# Altium PCB Main_PCB.PcbDoc (part 6 of 13)
Units mil, origin at the board's own origin, x right, y up, seen from the top; angles counter-clockwise.
Board outline 5200 x 6000 mil, 12 copper layers (Top (L1), Int1 (l2), Int2 (L3), Int3 (L4), Int4 (L5), Int5 (L6), Int6 (L7), Int7 (L8), Int8 (L9), Int9 (L10), Int10 (L11), Bot (L12)), stack 94.81 mil thick; 88 components, 424 nets, 1789 pads, 1684 vias.
Unrouted connection lines stored in the file: 914.
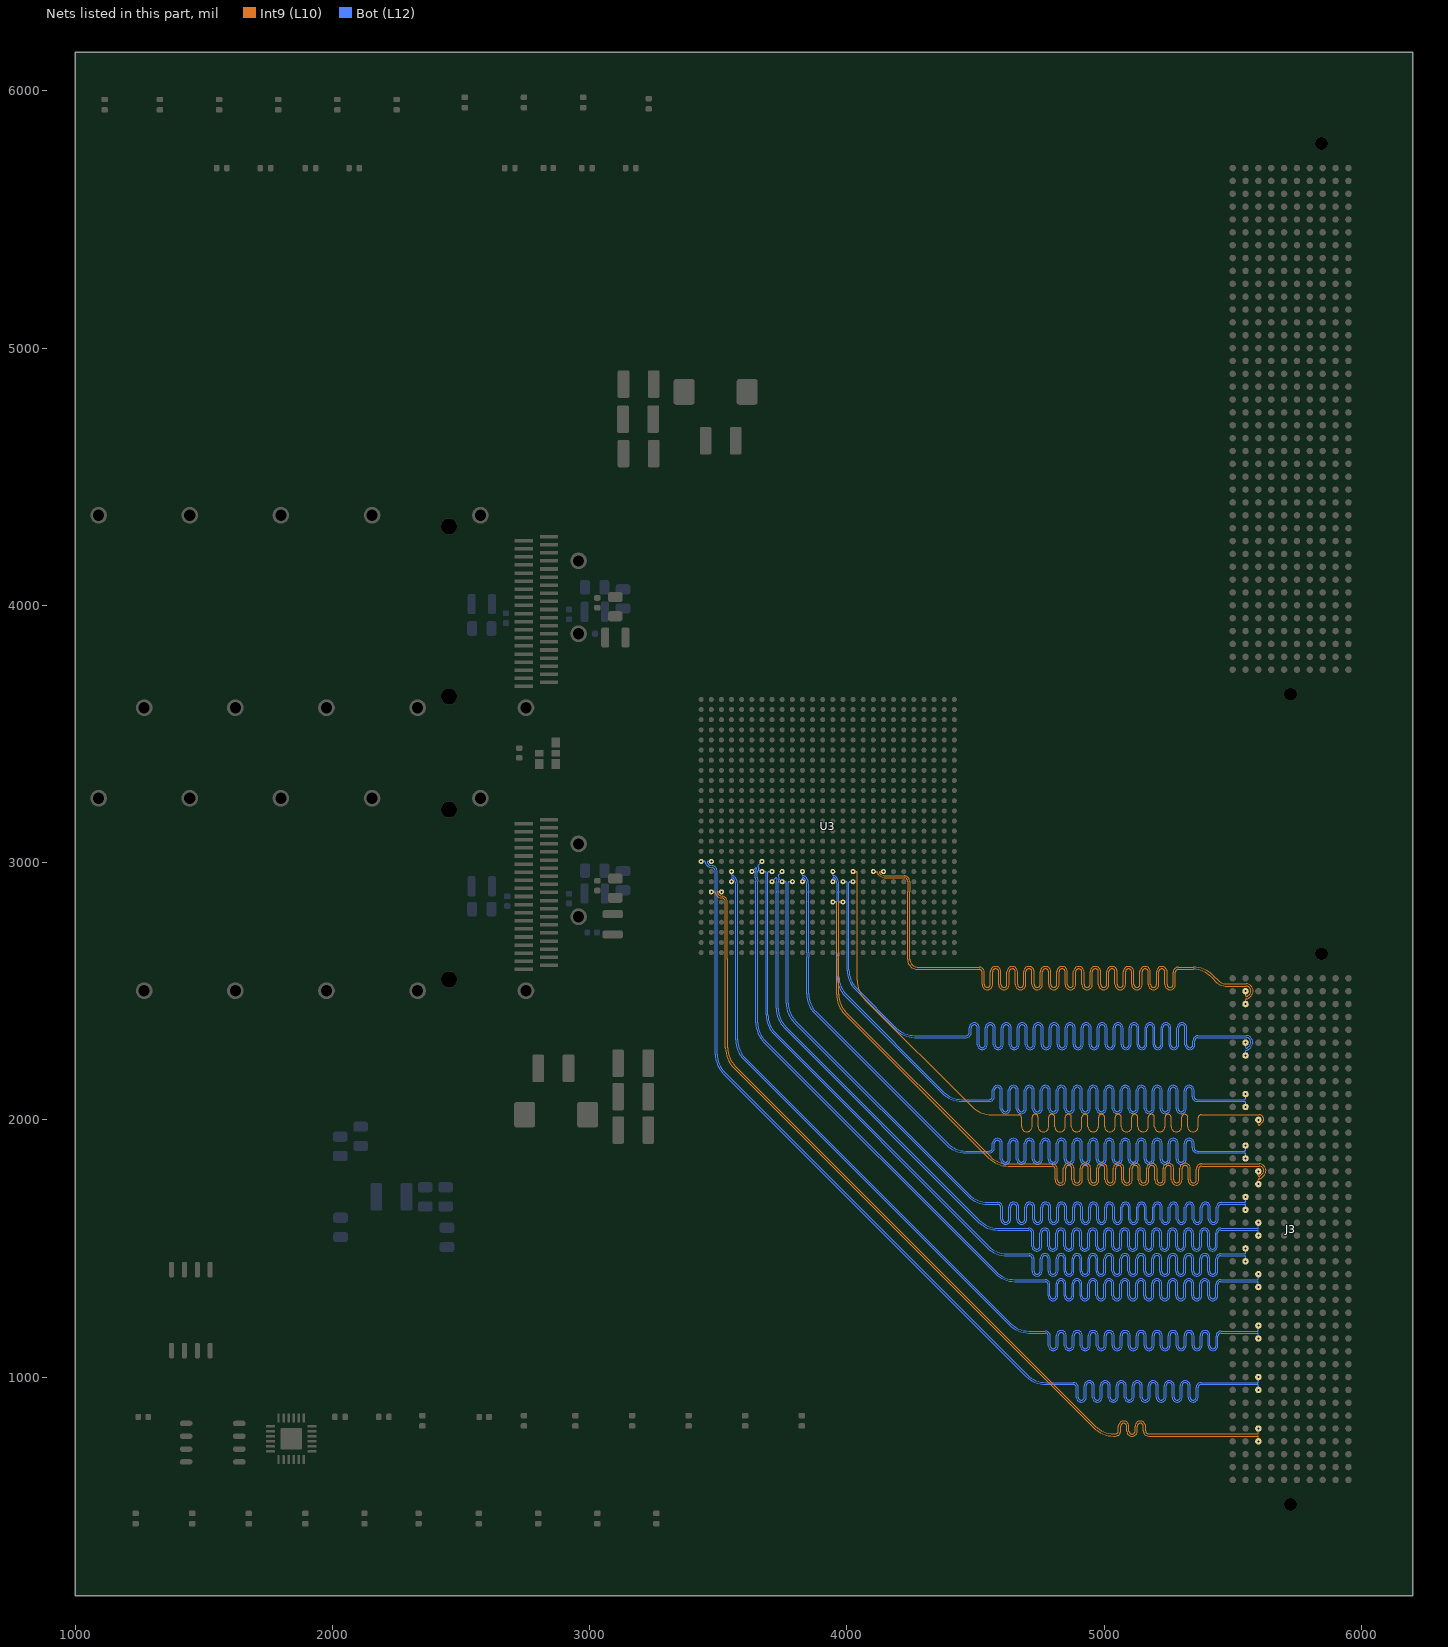
[diagram p16: the nets of this part, all layers, seen from the top]

## Via types
v1: diameter 13.78, hole 7.87, Top (L1) to Bot (L12), tented both sides, 1680 vias
v2: diameter 19.68, hole 7.87, Top (L1) to Bot (L12), tented both sides, 4 vias

## Nets (pads, with @x,y where several pads share a name; then routed paths per layer and width w, separated by ;. In a path a pad name is that pad's centre, name@x,y a point inside that pad or via, vN(x,y) a via of type N, cw(c..) or ccw(c..) an arc to the next point about the centre after c; other vN are vias at no path point) (continued)
HPCC_A_56_P: J3.H12 U3.V16 | length 3513.6
  Int9 (L10) w3.5: v1(4024.41,2964.96) 4036.84,2964.96 cw(c4036.84,2961.46) 4039.32,2963.94 cw(c4036.84,2961.46) 4040.34,2961.46 4040.34,2625 4040.2,2624.86 4040.2,2542.42 ccw(c4149,2542.42) 4072.07,2465.49 4485.69,2051.87 ccw(c4562.62,2128.8) 4562.62,2020 4629,2020 4667.45,2020 cw(c4667.45,2008.25) 4679.2,2008.25 4679.2,1973.62 ccw(c4699.75,1973.62) 4720.3,1973.62 4720.3,2009.89 cw(c4732.05,2009.89) 4743.8,2009.89 4743.8,1973.62 ccw(c4764.35,1973.62) 4784.9,1973.62 4784.9,2009.89 cw(c4796.65,2009.89) 4808.4,2009.89 4808.4,1973.62 ccw(c4828.95,1973.62) 4849.5,1973.62 4849.5,2009.89 cw(c4861.25,2009.89) 4873,2009.89 4873,1973.62 ccw(c4893.55,1973.62) 4914.1,1973.62 4914.1,2009.89 cw(c4925.85,2009.89) 4937.6,2009.89 4937.6,1973.62 ccw(c4958.15,1973.62) 4978.7,1973.62 4978.7,2009.89 cw(c4990.45,2009.89) 5002.2,2009.89 5002.2,1973.62 ccw(c5022.75,1973.62) 5043.3,1973.62 5043.3,2009.89 cw(c5055.05,2009.89) 5066.8,2009.89 5066.8,1973.62 ccw(c5087.35,1973.62) 5107.9,1973.62 5107.9,2009.89 cw(c5119.65,2009.89) 5131.4,2009.89 5131.4,1973.62 ccw(c5151.95,1973.62) 5172.5,1973.62 5172.5,2009.89 cw(c5184.25,2009.89) 5196,2009.89 5196,1973.62 ccw(c5216.55,1973.62) 5237.1,1973.62 5237.1,2009.89 cw(c5248.85,2009.89) 5260.6,2009.89 5260.6,1973.62 ccw(c5281.15,1973.62) 5301.7,1973.62 5301.7,2009.89 cw(c5313.45,2009.89) 5325.2,2009.89 5325.2,1973.62 ccw(c5345.75,1973.62) 5366.3,1973.62 5366.3,2008.25 cw(c5378.05,2008.25) 5378.05,2020 5417.74,2020 5602.93,2020 cw(c5602.93,2002.93) 5615,2015 cw(c5602.45,2002.45) 5620.2,2002.45 5620.2,1999 cw(c5609.7,1999) 5617.12,1991.57 5605.97,1980.43 ; v1(5600,2000) 5600,1982.9 ccw(c5603.5,1982.9) 5601.03,1980.43 ccw(c5603.5,1982.9) 5603.5,1979.4 ccw(c5603.5,1982.9) 5605.97,1980.42
HPCC_A_57_N: J3.H17 U3.AA15 | length 3523
  Int9 (L10) w3.5: v1(3985.04,2846.85) 3972.6,2846.85 ccw(c3972.6,2843.35) 3970.13,2845.83 ccw(c3972.6,2843.35) 3969.1,2843.35 3969.1,2612.65 3969,2612.55 3969,2487.42 ccw(c4069,2487.42) 3998.29,2416.71 4556.91,1858.09 ccw(c4627.62,1928.8) 4627.62,1828.8 4759.69,1828.8 4798.14,1828.8 cw(c4798.14,1808.25) 4818.69,1808.25 4818.69,1766.89 ccw(c4830.44,1766.89) 4842.19,1766.89 4842.19,1810.88 cw(c4862.74,1810.88) 4883.29,1810.88 4883.29,1766.89 ccw(c4895.04,1766.89) 4906.79,1766.89 4906.79,1810.88 cw(c4927.34,1810.88) 4947.89,1810.88 4947.89,1766.89 ccw(c4959.64,1766.89) 4971.39,1766.89 4971.39,1810.88 cw(c4991.94,1810.88) 5012.49,1810.88 5012.49,1766.89 ccw(c5024.24,1766.89) 5035.99,1766.89 5035.99,1810.88 cw(c5056.54,1810.88) 5077.09,1810.88 5077.09,1766.89 ccw(c5088.84,1766.89) 5100.59,1766.89 5100.59,1810.88 cw(c5121.14,1810.88) 5141.69,1810.88 5141.69,1766.89 ccw(c5153.44,1766.89) 5165.19,1766.89 5165.19,1810.88 cw(c5185.74,1810.88) 5206.29,1810.88 5206.29,1766.89 ccw(c5218.04,1766.89) 5229.79,1766.89 5229.79,1810.88 cw(c5250.34,1810.88) 5270.89,1810.88 5270.89,1766.89 ccw(c5282.64,1766.89) 5294.39,1766.89 5294.39,1810.88 cw(c5314.94,1810.88) 5335.49,1810.88 5335.49,1766.89 ccw(c5347.24,1766.89) 5358.99,1766.89 5358.99,1808.25 cw(c5379.54,1808.25) 5379.54,1828.8 5403,1828.8 5602.93,1828.8 cw(c5602.93,1802.93) 5621.22,1821.23 ; v1(5600,1750) 5600,1767.1 cw(c5603.5,1767.1) 5601.03,1769.57 cw(c5603.5,1767.1) 5603.5,1770.6 ccw(c5603.5,1782.9) 5612.2,1774.2 5621.88,1783.89 ccw(c5602.77,1803) 5629.8,1803 ccw(c5606.51,1803) 5622.99,1819.46 5621.22,1821.22
HPCC_A_57_P: J3.H16 U3.AA14 | length 3509.5
  Int9 (L10) w3.5: v1(3945.67,2846.85) 3958.1,2846.85 cw(c3958.1,2843.35) 3960.58,2845.83 cw(c3958.1,2843.35) 3961.6,2843.35 3961.6,2625 ccw(c3964.74,2621.86) 3960.3,2621.86 3960.3,2616.3 3960.2,2616.19 3960.2,2487.42 ccw(c4069,2487.42) 3992.07,2410.49 4550.69,1851.87 ccw(c4627.62,1928.8) 4627.62,1820 4759.69,1820 4798.14,1820 cw(c4798.14,1808.25) 4809.89,1808.25 4809.89,1766.89 ccw(c4830.44,1766.89) 4850.99,1766.89 4850.99,1810.88 cw(c4862.74,1810.88) 4874.49,1810.88 4874.49,1766.89 ccw(c4895.04,1766.89) 4915.59,1766.89 4915.59,1810.88 cw(c4927.34,1810.88) 4939.09,1810.88 4939.09,1766.89 ccw(c4959.64,1766.89) 4980.19,1766.89 4980.19,1810.88 cw(c4991.94,1810.88) 5003.69,1810.88 5003.69,1766.89 ccw(c5024.24,1766.89) 5044.79,1766.89 5044.79,1810.88 cw(c5056.54,1810.88) 5068.29,1810.88 5068.29,1766.89 ccw(c5088.84,1766.89) 5109.39,1766.89 5109.39,1810.88 cw(c5121.14,1810.88) 5132.89,1810.88 5132.89,1766.89 ccw(c5153.44,1766.89) 5173.99,1766.89 5173.99,1810.88 cw(c5185.74,1810.88) 5197.49,1810.88 5197.49,1766.89 ccw(c5218.04,1766.89) 5238.59,1766.89 5238.59,1810.88 cw(c5250.34,1810.88) 5262.09,1810.88 5262.09,1766.89 ccw(c5282.64,1766.89) 5303.19,1766.89 5303.19,1810.88 cw(c5314.94,1810.88) 5326.69,1810.88 5326.69,1766.89 ccw(c5347.24,1766.89) 5367.79,1766.89 5367.79,1808.25 cw(c5379.54,1808.25) 5379.54,1820 5403,1820 5602.93,1820 cw(c5602.93,1802.93) 5615,1815 5616.76,1813.24 cw(c5606.51,1803) 5621,1803 cw(c5602.77,1803) 5615.67,1790.12 5605.97,1780.43 ; v1(5600,1800) 5600,1782.9 ccw(c5603.5,1782.9) 5601.03,1780.43 ccw(c5603.5,1782.9) 5603.5,1779.4 ccw(c5603.5,1782.9) 5605.97,1780.42
HPCC_A_58_N: J3.H21 U3.W8 | length 4445.2
  Bot (L12) w3.5: v1(3709.45,2925.59) 3724.01,2940.15 cw(c3726.48,2937.67) 3726.48,2941.17 3726.84,2940.98 cw(c3725.15,2937.91) 3728.26,2936.31 ccw(c3748.82,2925.59) 3725.71,2923.74 ; 3725.67,2628.85 3725.67,2433.2 ccw(c3833.22,2433.2) 3757.17,2357.15 4511.6,1602.73 ccw(c4587.65,1678.78) 4587.65,1571.23 ; 3725.69,2628.87 3725.69,2648.2 ccw(c3722.19,2648.18) 3725.69,2648.39 cw(c3748.82,2650) 3725.63,2650 3725.63,2846.85 cw(c3748.82,2846.85) 3725.64,2847.59 3725.69,2849.17 ccw(c3722.19,2849.28) 3725.69,2849.28 3725.69,2884.42 ccw(c3722.19,2884.4) 3725.69,2884.61 cw(c3748.82,2886.22) 3725.69,2887.83 ccw(c3722.19,2888.04) 3725.69,2888.02 3725.69,2920.5 3725.7,2923.6 3725.69,2923.72 ; 4587.65,1571.22 4671,1571.22 4707.58,1571.22 cw(c4707.58,1559.47) 4719.33,1559.47 4719.33,1508.78 ccw(c4738.63,1508.78) 4757.93,1508.78 4757.93,1559.59 cw(c4769.68,1559.59) 4781.43,1559.59 4781.43,1508.78 ccw(c4800.73,1508.78) 4820.03,1508.78 4820.03,1559.59 cw(c4831.78,1559.59) 4843.53,1559.59 4843.53,1508.78 ccw(c4862.83,1508.78) 4882.13,1508.78 4882.13,1559.59 cw(c4893.88,1559.59) 4905.63,1559.59 4905.63,1508.78 ccw(c4924.93,1508.78) 4944.23,1508.78 4944.23,1559.59 cw(c4955.98,1559.59) 4967.73,1559.59 4967.73,1508.78 ccw(c4987.03,1508.78) 5006.33,1508.78 5006.33,1559.59 cw(c5018.08,1559.59) 5029.83,1559.59 5029.83,1508.78 ccw(c5049.13,1508.78) 5068.43,1508.78 5068.43,1559.59 cw(c5080.18,1559.59) 5091.93,1559.59 5091.93,1508.78 ccw(c5111.23,1508.78) 5130.53,1508.78 5130.53,1559.59 cw(c5142.28,1559.59) 5154.03,1559.59 5154.03,1508.78 ccw(c5173.33,1508.78) 5192.63,1508.78 5192.63,1559.59 cw(c5204.38,1559.59) 5216.13,1559.59 5216.13,1508.78 ccw(c5235.43,1508.78) 5254.73,1508.78 5254.73,1559.59 cw(c5266.48,1559.59) 5278.23,1559.59 5278.23,1508.78 ccw(c5297.53,1508.78) 5316.83,1508.78 5316.83,1559.59 cw(c5328.58,1559.59) 5340.33,1559.59 5340.33,1508.78 ccw(c5359.63,1508.78) 5378.93,1508.78 5378.93,1559.59 cw(c5390.68,1559.59) 5402.43,1559.59 5402.43,1508.78 ccw(c5421.73,1508.78) 5441.03,1508.78 5441.03,1559.47 cw(c5452.78,1559.47) 5452.78,1571.22 5476,1571.22 5596.5,1571.22 cw(c5596.5,1567.72) 5598.97,1570.2 cw(c5596.5,1567.72) 5600,1567.72 v1(5600,1550)
HPCC_A_58_P: J3.H20 U3.V9 | length 4446.9
  Bot (L12) w3.5: 3733.17,2626.03 3733.17,2626.27 cw(c3736.67,2626.24) 3733.18,2626.45 ccw(c3722.19,2627.09) 3733.19,2627.09 3733.19,2632 3733.19,2648.22 ccw(c3722.19,2648.18) 3733.17,2648.9 cw(c3748.82,2650) 3733.13,2650 3733.13,2846.85 cw(c3748.82,2846.85) 3733.14,2847.36 3733.19,2848.94 ccw(c3722.19,2849.28) 3733.19,2849.28 3733.19,2884.44 ccw(c3722.19,2884.4) 3733.17,2885.12 cw(c3748.82,2886.22) 3733.17,2887.33 ccw(c3722.19,2888.04) 3733.19,2888 3733.19,2920.5 3733.2,2923.35 ccw(c3725.71,2923.74) 3733.19,2924.28 3733.18,2924.34 cw(c3748.82,2925.59) 3736.71,2935.56 ccw(c3733.98,2937.76) 3737.48,2937.71 ; 3733.22,2625.72 3733.22,2433.2 ccw(c3833.22,2433.2) 3762.51,2362.49 4516.94,1608.06 ccw(c4587.65,1678.78) 4587.65,1578.78 4671,1578.78 4707.58,1578.78 ; 3733.24,2625.75 3733.24,2631.97 ; 3737.48,2937.73 ccw(c3726.63,2937.73) 3734.3,2945.41 3734.26,2945.45 cw(c3736.74,2947.93) 3733.24,2947.93 cw(c3736.74,2947.93) 3734.26,2950.4 v1(3748.82,2964.96) ; 4707.58,1578.77 cw(c4707.58,1559.47) 4726.88,1559.47 4726.88,1508.78 ccw(c4738.63,1508.78) 4750.38,1508.78 4750.38,1559.59 cw(c4769.68,1559.59) 4788.98,1559.59 4788.98,1508.78 ccw(c4800.73,1508.78) 4812.48,1508.78 4812.48,1559.59 cw(c4831.78,1559.59) 4851.08,1559.59 4851.08,1508.78 ccw(c4862.83,1508.78) 4874.58,1508.78 4874.58,1559.59 cw(c4893.88,1559.59) 4913.18,1559.59 4913.18,1508.78 ccw(c4924.93,1508.78) 4936.68,1508.78 4936.68,1559.59 cw(c4955.98,1559.59) 4975.28,1559.59 4975.28,1508.78 ccw(c4987.03,1508.78) 4998.78,1508.78 4998.78,1559.59 cw(c5018.08,1559.59) 5037.38,1559.59 5037.38,1508.78 ccw(c5049.13,1508.78) 5060.88,1508.78 5060.88,1559.59 cw(c5080.18,1559.59) 5099.48,1559.59 5099.48,1508.78 ccw(c5111.23,1508.78) 5122.98,1508.78 5122.98,1559.59 cw(c5142.28,1559.59) 5161.58,1559.59 5161.58,1508.78 ccw(c5173.33,1508.78) 5185.08,1508.78 5185.08,1559.59 cw(c5204.38,1559.59) 5223.68,1559.59 5223.68,1508.78 ccw(c5235.43,1508.78) 5247.18,1508.78 5247.18,1559.59 cw(c5266.48,1559.59) 5285.78,1559.59 5285.78,1508.78 ccw(c5297.53,1508.78) 5309.28,1508.78 5309.28,1559.59 cw(c5328.58,1559.59) 5347.88,1559.59 5347.88,1508.78 ccw(c5359.63,1508.78) 5371.38,1508.78 5371.38,1559.59 cw(c5390.68,1559.59) 5409.98,1559.59 5409.98,1508.78 ccw(c5421.73,1508.78) 5433.48,1508.78 5433.48,1559.47 cw(c5452.78,1559.47) 5452.78,1578.77 ; 5452.78,1578.78 5476,1578.78 5596.5,1578.78 ccw(c5596.5,1582.28) 5598.97,1579.8 ccw(c5596.5,1582.28) 5600,1582.28 v1(5600,1600)
HPCC_A_59_N: J3.H25 U3.V6 | length 4438.9
  Bot (L12) w3.5: v1(3630.71,2964.96) 3645.27,2979.52 cw(c3647.74,2977.04) 3647.74,2980.54 3648.59,2974.96 cw(c3645.13,2974.43) 3648.18,2972.72 3646.86,2970.37 ccw(c3660.86,2962.51) 3644.8,2962.55 3644.8,2941.3 ccw(c3652.3,2941.3) 3644.85,2940.48 3646.3,2927.31 cw(c3630.71,2925.59) 3646.38,2924.93 3646.38,2886.94 ccw(c3657.38,2886.99) 3646.39,2886.71 cw(c3630.71,2886.22) 3646.4,2886.22 3646.4,2650 cw(c3630.71,2650) 3646.39,2649.46 ccw(c3650.14,2649.36) 3646.39,2649.36 ccw(c3657.38,2649.23) 3646.38,2649.28 3646.38,2377.49 ccw(c3753.93,2377.49) 3677.89,2301.44 4576.6,1402.73 ccw(c4652.65,1478.78) 4652.65,1371.23 ; 4652.65,1371.22 4734,1371.22 4770.58,1371.22 cw(c4770.58,1359.47) 4782.33,1359.47 4782.33,1316.26 ccw(c4801.63,1316.26) 4820.93,1316.26 4820.93,1362.67 cw(c4832.68,1362.67) 4844.43,1362.67 4844.43,1316.26 ccw(c4863.73,1316.26) 4883.03,1316.26 4883.03,1362.67 cw(c4894.78,1362.67) 4906.53,1362.67 4906.53,1316.26 ccw(c4925.83,1316.26) 4945.13,1316.26 4945.13,1362.67 cw(c4956.88,1362.67) 4968.63,1362.67 4968.63,1316.26 ccw(c4987.93,1316.26) 5007.23,1316.26 5007.23,1362.67 cw(c5018.98,1362.67) 5030.73,1362.67 5030.73,1316.26 ccw(c5050.03,1316.26) 5069.33,1316.26 5069.33,1362.67 cw(c5081.08,1362.67) 5092.83,1362.67 5092.83,1316.26 ccw(c5112.13,1316.26) 5131.43,1316.26 5131.43,1362.67 cw(c5143.18,1362.67) 5154.93,1362.67 5154.93,1316.26 ccw(c5174.23,1316.26) 5193.53,1316.26 5193.53,1362.67 cw(c5205.28,1362.67) 5217.03,1362.67 5217.03,1316.26 ccw(c5236.33,1316.26) 5255.63,1316.26 5255.63,1362.67 cw(c5267.38,1362.67) 5279.13,1362.67 5279.13,1316.26 ccw(c5298.43,1316.26) 5317.73,1316.26 5317.73,1362.67 cw(c5329.48,1362.67) 5341.23,1362.67 5341.23,1316.26 ccw(c5360.53,1316.26) 5379.83,1316.26 5379.83,1362.67 cw(c5391.58,1362.67) 5403.33,1362.67 5403.33,1316.26 ccw(c5422.63,1316.26) 5441.93,1316.26 5441.93,1359.47 cw(c5453.68,1359.47) 5453.68,1371.22 5492.44,1371.22 5596.5,1371.22 cw(c5596.5,1367.72) 5598.97,1370.2 cw(c5596.5,1367.72) 5600,1367.72 v1(5600,1350)
HPCC_A_59_P: J3.H24 U3.U7 | length 4435.7
  Bot (L12) w3.5: 3653.88,2630 3653.88,2649.25 ; 3653.89,2649.3 ccw(c3630.71,2650) 3653.9,2650 3653.9,2886.22 ccw(c3630.71,2886.22) 3653.89,2886.92 cw(c3657.38,2886.99) 3653.88,2886.97 3653.88,2924.94 ccw(c3630.71,2925.59) 3653.76,2928.13 3652.3,2941.3 3652.3,2962.51 cw(c3660.86,2962.51) 3654.81,2968.55 cw(c3670.08,2964.96) 3657.97,2974.93 ccw(c3655.24,2977.13) 3658.73,2976.88 3658.74,2977.01 3658.74,2977.08 ccw(c3647.84,2977.08) 3655.55,2984.79 ; 3653.93,2629.97 3653.93,2377.49 ccw(c3753.93,2377.49) 3683.22,2306.78 4581.94,1408.06 ccw(c4652.65,1478.78) 4652.65,1378.78 4734,1378.78 4770.58,1378.78 ; 3655.52,2984.82 cw(c3658,2987.3) 3654.5,2987.3 cw(c3658,2987.3) 3655.52,2989.77 v1(3670.08,3004.33) ; 4770.58,1378.77 cw(c4770.58,1359.47) 4789.88,1359.47 4789.88,1316.26 ccw(c4801.63,1316.26) 4813.38,1316.26 4813.38,1362.67 cw(c4832.68,1362.67) 4851.98,1362.67 4851.98,1316.26 ccw(c4863.73,1316.26) 4875.48,1316.26 4875.48,1362.67 cw(c4894.78,1362.67) 4914.08,1362.67 4914.08,1316.26 ccw(c4925.83,1316.26) 4937.58,1316.26 4937.58,1362.67 cw(c4956.88,1362.67) 4976.18,1362.67 4976.18,1316.26 ccw(c4987.93,1316.26) 4999.68,1316.26 4999.68,1362.67 cw(c5018.98,1362.67) 5038.28,1362.67 5038.28,1316.26 ccw(c5050.03,1316.26) 5061.78,1316.26 5061.78,1362.67 cw(c5081.08,1362.67) 5100.38,1362.67 5100.38,1316.26 ccw(c5112.13,1316.26) 5123.88,1316.26 5123.88,1362.67 cw(c5143.18,1362.67) 5162.48,1362.67 5162.48,1316.26 ccw(c5174.23,1316.26) 5185.98,1316.26 5185.98,1362.67 cw(c5205.28,1362.67) 5224.58,1362.67 5224.58,1316.26 ccw(c5236.33,1316.26) 5248.08,1316.26 5248.08,1362.67 cw(c5267.38,1362.67) 5286.68,1362.67 5286.68,1316.26 ccw(c5298.43,1316.26) 5310.18,1316.26 5310.18,1362.67 cw(c5329.48,1362.67) 5348.78,1362.67 5348.78,1316.26 ccw(c5360.53,1316.26) 5372.28,1316.26 5372.28,1362.67 cw(c5391.58,1362.67) 5410.88,1362.67 5410.88,1316.26 ccw(c5422.63,1316.26) 5434.38,1316.26 5434.38,1359.47 cw(c5453.68,1359.47) 5453.68,1378.77 ; 5453.68,1378.78 5492.44,1378.78 5596.5,1378.78 ccw(c5596.5,1382.28) 5598.97,1379.8 ccw(c5596.5,1382.28) 5600,1382.28 v1(5600,1400)
HPCC_A_60_N: J3.H29 U3.W4 | length 4439.3
  Bot (L12) w3.5: v1(3551.97,2925.59) 3551.97,2938.03 cw(c3555.47,2938.03) 3552.99,2940.5 cw(c3555.47,2938.03) 3555.47,2941.53 cw(c3555.47,2938.03) 3557.94,2940.5 cw(c3533.66,2916.22) 3568,2916.22 3568,2310.87 ccw(c3675.55,2310.87) 3599.5,2234.82 4631.6,1202.73 ccw(c4707.65,1278.78) 4707.65,1171.23 ; 4707.65,1171.22 4735,1171.22 4771.58,1171.22 cw(c4771.58,1159.47) 4783.33,1159.47 4783.33,1122.34 ccw(c4802.63,1122.34) 4821.93,1122.34 4821.93,1161.42 cw(c4833.68,1161.42) 4845.43,1161.42 4845.43,1122.34 ccw(c4864.73,1122.34) 4884.03,1122.34 4884.03,1161.42 cw(c4895.78,1161.42) 4907.53,1161.42 4907.53,1122.34 ccw(c4926.83,1122.34) 4946.13,1122.34 4946.13,1161.42 cw(c4957.88,1161.42) 4969.63,1161.42 4969.63,1122.34 ccw(c4988.93,1122.34) 5008.23,1122.34 5008.23,1161.42 cw(c5019.98,1161.42) 5031.73,1161.42 5031.73,1122.34 ccw(c5051.03,1122.34) 5070.33,1122.34 5070.33,1161.42 cw(c5082.08,1161.42) 5093.83,1161.42 5093.83,1122.34 ccw(c5113.13,1122.34) 5132.43,1122.34 5132.43,1161.42 cw(c5144.18,1161.42) 5155.93,1161.42 5155.93,1122.34 ccw(c5175.23,1122.34) 5194.53,1122.34 5194.53,1161.42 cw(c5206.28,1161.42) 5218.03,1161.42 5218.03,1122.34 ccw(c5237.33,1122.34) 5256.63,1122.34 5256.63,1161.42 cw(c5268.38,1161.42) 5280.13,1161.42 5280.13,1122.34 ccw(c5299.43,1122.34) 5318.73,1122.34 5318.73,1161.42 cw(c5330.48,1161.42) 5342.23,1161.42 5342.23,1122.34 ccw(c5361.53,1122.34) 5380.83,1122.34 5380.83,1161.42 cw(c5392.58,1161.42) 5404.33,1161.42 5404.33,1122.34 ccw(c5423.63,1122.34) 5442.93,1122.34 5442.93,1159.47 cw(c5454.68,1159.47) 5454.68,1171.22 5504,1171.22 5596.5,1171.22 cw(c5596.5,1167.72) 5598.97,1170.2 cw(c5596.5,1167.72) 5600,1167.72 v1(5600,1150)
HPCC_A_60_P: J3.H28 U3.V4 | length 4439.3
  Bot (L12) w3.5: v1(3551.97,2964.96) 3551.97,2952.53 ccw(c3555.47,2952.53) 3552.99,2950.05 ccw(c3555.47,2952.53) 3555.47,2949.03 3555.52,2949.03 cw(c3555.52,2938.15) 3563.21,2945.84 3563.33,2945.72 cw(c3533.94,2916.33) 3575.5,2916.33 3575.5,2630 ; 3575.55,2629.97 3575.55,2310.87 ccw(c3675.55,2310.87) 3604.84,2240.16 4636.94,1208.06 ccw(c4707.65,1278.78) 4707.65,1178.78 4735,1178.78 4771.58,1178.78 ; 4771.58,1178.77 cw(c4771.58,1159.47) 4790.88,1159.47 4790.88,1122.34 ccw(c4802.63,1122.34) 4814.38,1122.34 4814.38,1161.42 cw(c4833.68,1161.42) 4852.98,1161.42 4852.98,1122.34 ccw(c4864.73,1122.34) 4876.48,1122.34 4876.48,1161.42 cw(c4895.78,1161.42) 4915.08,1161.42 4915.08,1122.34 ccw(c4926.83,1122.34) 4938.58,1122.34 4938.58,1161.42 cw(c4957.88,1161.42) 4977.18,1161.42 4977.18,1122.34 ccw(c4988.93,1122.34) 5000.68,1122.34 5000.68,1161.42 cw(c5019.98,1161.42) 5039.28,1161.42 5039.28,1122.34 ccw(c5051.03,1122.34) 5062.78,1122.34 5062.78,1161.42 cw(c5082.08,1161.42) 5101.38,1161.42 5101.38,1122.34 ccw(c5113.13,1122.34) 5124.88,1122.34 5124.88,1161.42 cw(c5144.18,1161.42) 5163.48,1161.42 5163.48,1122.34 ccw(c5175.23,1122.34) 5186.98,1122.34 5186.98,1161.42 cw(c5206.28,1161.42) 5225.58,1161.42 5225.58,1122.34 ccw(c5237.33,1122.34) 5249.08,1122.34 5249.08,1161.42 cw(c5268.38,1161.42) 5287.68,1161.42 5287.68,1122.34 ccw(c5299.43,1122.34) 5311.18,1122.34 5311.18,1161.42 cw(c5330.48,1161.42) 5349.78,1161.42 5349.78,1122.34 ccw(c5361.53,1122.34) 5373.28,1122.34 5373.28,1161.42 cw(c5392.58,1161.42) 5411.88,1161.42 5411.88,1122.34 ccw(c5423.63,1122.34) 5435.38,1122.34 5435.38,1159.47 cw(c5454.68,1159.47) 5454.68,1178.77 ; 5454.68,1178.78 5504,1178.78 5596.5,1178.78 ccw(c5596.5,1182.28) 5598.97,1179.8 ccw(c5596.5,1182.28) 5600,1182.28 v1(5600,1200)
HPCC_A_61_N: J3.H33 U3.U1 | length 4445
  Bot (L12) w3.5: v1(3433.86,3004.33) 3446.29,3004.33 cw(c3446.29,3000.83) 3449.79,3000.83 ccw(c3460.79,3000.83) 3451.79,2994.51 3454.26,2991 ccw(c3473.23,3004.33) 3469.56,2981.44 3475.71,2980.45 cw(c3473.23,2964.96) 3488.92,2964.96 3488.92,2254.96 ccw(c3596.47,2254.96) 3520.42,2178.91 4696.6,1002.73 ccw(c4772.65,1078.78) 4772.65,971.23 ; 4772.65,971.23 4844,971.23 4880.58,971.23 cw(c4880.58,959.48) 4892.33,959.48 4892.33,921.96 ccw(c4911.63,921.96) 4930.93,921.96 4930.93,966.33 cw(c4942.68,966.33) 4954.43,966.33 4954.43,921.96 ccw(c4973.73,921.96) 4993.03,921.96 4993.03,966.33 cw(c5004.78,966.33) 5016.53,966.33 5016.53,921.96 ccw(c5035.83,921.96) 5055.13,921.96 5055.13,966.33 cw(c5066.88,966.33) 5078.63,966.33 5078.63,921.96 ccw(c5097.93,921.96) 5117.23,921.96 5117.23,966.33 cw(c5128.98,966.33) 5140.73,966.33 5140.73,921.96 ccw(c5160.03,921.96) 5179.33,921.96 5179.33,966.33 cw(c5191.08,966.33) 5202.83,966.33 5202.83,921.96 ccw(c5222.13,921.96) 5241.43,921.96 5241.43,966.33 cw(c5253.18,966.33) 5264.93,966.33 5264.93,921.96 ccw(c5284.23,921.96) 5303.53,921.96 5303.53,966.33 cw(c5315.28,966.33) 5327.03,966.33 5327.03,921.96 ccw(c5346.33,921.96) 5365.63,921.96 5365.63,959.48 cw(c5377.38,959.48) 5377.38,971.23 5418,971.23 5596.5,971.23 cw(c5596.5,967.72) 5598.97,970.2 cw(c5596.5,967.73) 5600,967.73 v1(5600,950)
HPCC_A_61_P: J3.H32 U3.U2 | length 4433.1
  Bot (L12) w3.5: v1(3473.23,3004.33) 3460.79,3004.33 ccw(c3460.79,3000.83) 3457.93,2998.82 3460.39,2995.31 ccw(c3473.23,3004.33) 3470.75,2988.84 3476.9,2987.86 cw(c3473.23,2964.96) 3496.42,2964.96 3496.42,2629 3496.47,2628.95 3496.47,2254.96 ccw(c3596.47,2254.96) 3525.75,2184.25 4701.94,1008.06 ccw(c4772.65,1078.78) 4772.65,978.78 4844,978.77 4880.58,978.77 cw(c4880.58,959.48) 4899.88,959.48 4899.88,921.96 ccw(c4911.63,921.96) 4923.38,921.96 4923.38,966.33 cw(c4942.68,966.33) 4961.98,966.33 4961.98,921.96 ccw(c4973.73,921.96) 4985.48,921.96 4985.48,966.33 cw(c5004.78,966.33) 5024.08,966.33 5024.08,921.96 ccw(c5035.83,921.96) 5047.58,921.96 5047.58,966.33 cw(c5066.88,966.33) 5086.18,966.33 5086.18,921.96 ccw(c5097.93,921.96) 5109.68,921.96 5109.68,966.33 cw(c5128.98,966.33) 5148.28,966.33 5148.28,921.96 ccw(c5160.03,921.96) 5171.78,921.96 5171.78,966.33 cw(c5191.08,966.33) 5210.38,966.33 5210.38,921.96 ccw(c5222.13,921.96) 5233.88,921.96 5233.88,966.33 cw(c5253.18,966.33) 5272.48,966.33 5272.48,921.96 ccw(c5284.23,921.96) 5295.98,921.96 5295.98,966.33 cw(c5315.28,966.33) 5334.58,966.33 5334.58,921.96 ccw(c5346.33,921.96) 5358.08,921.96 5358.08,959.48 cw(c5377.38,959.48) 5377.38,978.77 5418,978.77 5596.5,978.77 ccw(c5596.5,982.28) 5598.97,979.8 ccw(c5596.5,982.27) 5600,982.27 v1(5600,1000)
HPCC_A_62_N: J3.H37 U3.Y2 | length 3521
  Int9 (L10) w3.5: v1(3473.23,2886.22) 3485.66,2886.22 3485.89,2886.19 cw(c3485.43,2882.72) 3488.87,2883.35 3489.36,2880.71 ccw(c3500.18,2882.7) 3491.12,2876.46 3491.16,2876.4 3493.61,2872.92 ccw(c3512.6,2886.22) 3508.93,2863.33 3515.08,2862.34 cw(c3512.6,2846.85) 3528.29,2846.85 3528.29,2279.34 ccw(c3637.09,2279.34) 3560.15,2202.4 4960.09,802.47 ccw(c5037.02,879.4) 5037.02,770.6 5038,770.6 5044.15,770.6 ccw(c5044.15,791.15) 5064.7,791.15 5064.7,808.47 cw(c5076.45,808.47) 5088.2,808.47 5088.2,790.15 ccw(c5108.75,790.15) 5129.3,790.15 5129.3,808.47 cw(c5141.05,808.47) 5152.8,808.47 5152.8,791.15 ccw(c5173.35,791.15) 5173.35,770.6 5209.63,770.6 5596.5,770.6 cw(c5596.5,767.1) 5598.97,769.57 cw(c5596.5,767.1) 5600,767.1 v1(5600,750)